# KiCad board MPU_MOD.kicad_pcb (continued)
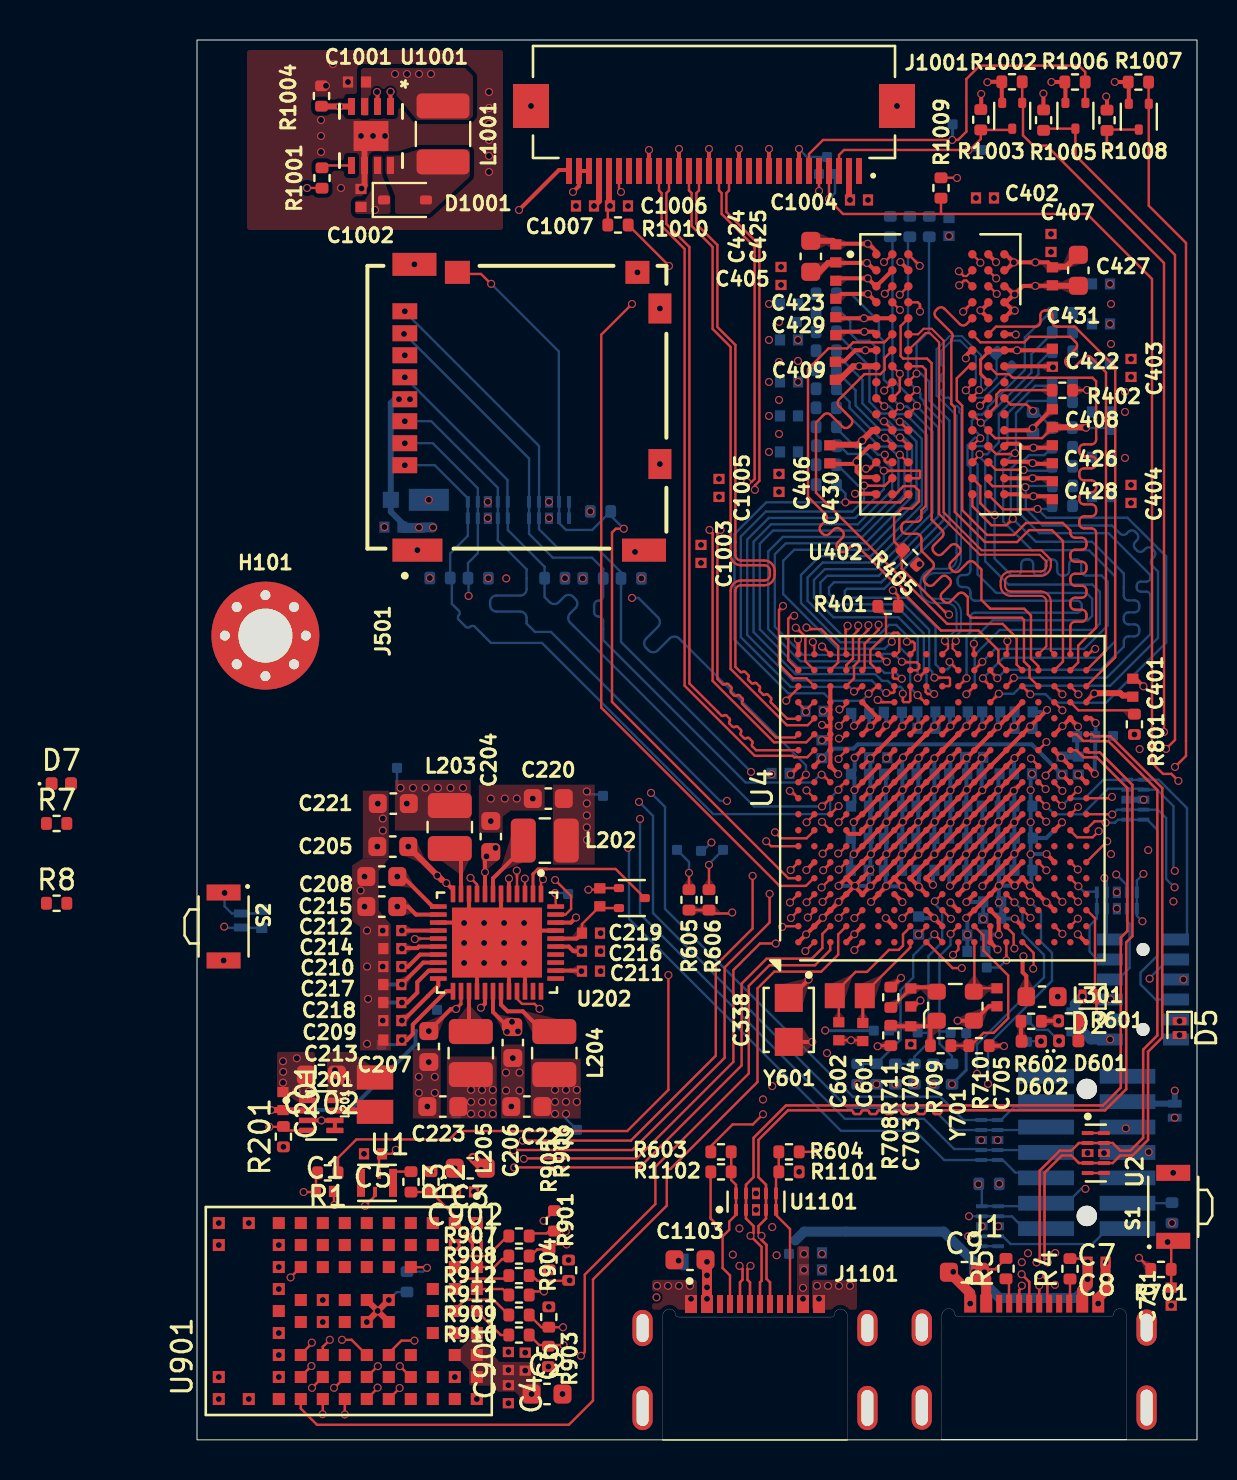
[diagram p0: board, top side]
## Library data of the parts (continued)
J501 = -: MP: MEM2090-00-145-00-A; P/N: MEM2090-00-145-00-A; Mouser P/N: 640-MEM20900014500A; REC P/N: MEM2090-00-145-00-A
J701 = -: MF: Samtec Inc.; MAXIMUM_PACKAGE_HEIGHT: 6.23mm; Package: None; Price: None; Check_prices: https://www.snapeda.com/parts/FTSH-107-01-L-DV-K-A/Samtec+Inc./view-part/?ref=eda; STANDARD: Manufacturer Recommendation; PARTREV: H; SnapEDA_Link: https://www.snapeda.com/parts/FTSH-107-01-L-DV-K-A/Samtec+Inc./view-part/?ref=snap; Description_1: Connector Header Surface Mount 14 position 0.050 (1.27mm); Availability: In Stock; MANUFACTURER: Samtec
J1001 = -: STANDARD: Manufacturer Recommendation; MANUFACTURER: Hirose; LCSC#: C506793; LCSC Part #: C506793
L202-L205 = -: Description: Inductor; P/N: DFE252012P-1R0M=P2; Mouser P/N: 81-DFE252012P-1R0MP2; LCSC Part #: C882955; REC P/N: DFE252012P-1R0M=P2; ki_fp_filters: Choke_* *Coil* Inductor_* L_*
L301 = -: Description: Inductor; P/N: MLZ1608M4R7WT000; Mouser P/N: 810-MLZ1608M4R7WT000; LCSC Part #: C76799; REC P/N: MLZ1608M4R7WT000; ki_fp_filters: Choke_* *Coil* Inductor_* L_*
L1001 = -: Description: DFE322512F-4R7M=P2; LCSC#: C703083; LCSC Part #: C703083; REC P/N: DFE322512F-4R7M=P2; ki_fp_filters: Choke_* *Coil* Inductor_* L_*
NT501 = -: Description: Net tie, 2 pins; ki_fp_filters: Net*Tie*
Q1-Q3 = -: Datasheet: https://www.diodes.com/assets/Datasheets/ds31783.pdf; Description: 20V Vds, 0.63 Id, N-Channel MOSFET with ESD protection, SOT-523; ki_fp_filters: SOT?523*
Q201 = -: Description: P-MOSFET transistor, gate/source/drain
R1 R403 R712 = -: Description: Resistor; LCSC Part #: C25076; ki_fp_filters: R_*
R2 R8 R501-R503 R506 R507 R603 R604 R903-R906 = -: Description: Resistor; LCSC Part #: C25792; ki_fp_filters: R_*
R3-R7 R601 R602 R907-R912 = -: Description: Resistor; ki_fp_filters: R_*
R201 R404 R405 R505 R701-R708 R901 R1002 R1003 R1005-R1008 = -: Description: Resistor; LCSC Part #: C25744; ki_fp_filters: R_*
R202 = -: Description: Resistor; LCSC Part #: C26083; ki_fp_filters: R_*
R203 R709 R1001 = -: Description: Resistor; LCSC Part #: C17168; ki_fp_filters: R_*
R401 = -: Description: Resistor; Field6: 1%; LCSC Part #: C25094; ki_fp_filters: R_*
R402 = -: Description: Resistor; TOL: 1%; LCSC Part #: C25094; ki_fp_filters: R_*
R406-R429 = -: Description: Resistor; LCSC Part #: C25127; ki_fp_filters: R_*
R605 R606 R801 R1009 R1010 = -: Description: Resistor; LCSC Part #: C25784; ki_fp_filters: R_*
R710 = -: Description: Resistor; LCSC Part #: C11702; ki_fp_filters: R_*
R711 = -: Description: Resistor; LCSC Part #: C25077; ki_fp_filters: R_*
R1004 = -: Description: Resistor; LCSC#: C23164; LCSC Part #: C38373; ki_fp_filters: R_*
R1101 R1102 = -: Description: Resistor; LCSC Part #: C25905; ki_fp_filters: R_*
S1 S2 = -: MANUFACTURER: Omron
TP201-TP211 TP601-TP605 TP701-TP707 TP1001-TP1006 TP1101 = -: Description: test point; ki_fp_filters: Pin* Test*
U1 = -: MF: SiTIME; Description_1: 32.768 kHz XO (Standard) LVCMOS Oscillator 1.5V ~ 3.63V - 4-SMD, No Lead; Package: SMD-4 SiTIME; Price: None; SnapEDA_Link: https://www.snapeda.com/parts/SIT1533AI-H4-DCC-32.768E/SiTime/view-part/?ref=snap; Availability: In Stock; Check_prices: https://www.snapeda.com/parts/SIT1533AI-H4-DCC-32.768E/SiTime/view-part/?ref=eda
U2 U3 U5 U501 U502 U702 U703 U1101 = -: MF: STMicroelectronics; MAXIMUM_PACKAGE_HEIGHT: 0.5mm; Package: UQFN-10 STMicroelectronics; Description_1: 10V Clamp 1A (8/20µs) Ipp Tvs Diode Surface Mount 10-UQFN (2.5x1); MANUFACTURER: STMicroelectronics; Mouser P/N: 511-HSP051-4M10; LCSC Part #: C1973641
U4 = -: Datasheet: https://www.st.com/resource/en/datasheet/stm32mp157f.pdf; Description: STMicroelectronics Arm Cortex-A7 MCU, 0KB flash, 708KB RAM, 98 GPIO, LFBGA354; LCSC Part #: C1236734; ki_fp_filters: ST*LFBGA*16x16mm*Layout19x19*P0.8mm*
U201 = -: MF: Texas Instruments; MOUSER-PURCHASE-URL: https://snapeda.com/shop?store=Mouser&id=4216699; DESCRIPTION: 60-nA IQ, 1.8-V to 6.5-VIN, high-efficiency 750-mA step-down converter 8-VSON-HR -40 to 125; PACKAGE: VSON-HR-8 Texas Instruments; PRICE: None; Package: VSON-HR-8 Texas Instruments; Check_prices: https://www.snapeda.com/parts/TPS62840DLCR/Texas+Instruments/view-part/?ref=eda; Price: None; SnapEDA_Link: https://www.snapeda.com/parts/TPS62840DLCR/Texas+Instruments/view-part/?ref=snap; TEXAS_INSTRUMENTS-PURCHASE-URL: https://snapeda.com/shop?store=Texas+Instruments&id=4216699; Availability: In Stock; AVAILABILITY: Warning; Description_1: 60-nA quiescent current (IQ), 1.8-V to 6.5-VIN, high-efficiency 750-mA step-down converter
U202 = -: Mouser P/N: 511-STPMIC1APQR; LCSC Part #: C2156052
U402 = -: MANUFACTURER: Micron; P/N: MT41K256M16TW-107:P; Mouser P/N: 340-265846-TRAY; PARTREV: P; STANDARD: IPC-7351B; MAXIMUM_PACKAGE_HEIGHT: 1.20mm; LCSC Part #: C253882; REC P/N: MT41K256M16TW-107:P
U901 = -: MF: U-Blox; MAXIMUM_PACKAGE_HEIGHT: 1.9mm; Package: None; Price: None; Check_prices: https://www.snapeda.com/parts/MAYA-W166-00B/u-blox/view-part/?ref=eda; STANDARD: Manufacturer Recommendations; PARTREV: R06; SnapEDA_Link: https://www.snapeda.com/parts/MAYA-W166-00B/u-blox/view-part/?ref=snap; Description_1: Bluetooth, WiFi 802.11a/b/g/n, Bluetooth v5.2 +EDR, Class 1 and 2 Transceiver Module 2.4GHz, 5GHz PCB Trace Surface Mount; Availability: In Stock; MANUFACTURER: u-blox
U1001 = -: LCSC#: C91304; LCSC Part #: C91304; ki_fp_filters: DRB8_1P75X1P5
Y601 = -: MF: NDK America,; DESCRIPTION: Crystal 32.7680khz 12.5pf Smd; PACKAGE: SMD-2; PRICE: None; Package: SMD-2 NDK; Check_prices: https://www.snapeda.com/parts/NX2012SA-32.768K-STD-MUB-1/NDK/view-part/?ref=eda; STANDARD: Manufacturer Recommendation; SnapEDA_Link: https://www.snapeda.com/parts/NX2012SA-32.768K-STD-MUB-1/NDK/view-part/?ref=snap; MP: NX2012SA-32.768K-STD-MUB-1; Price: None; Availability: In Stock; AVAILABILITY: Unavailable; Description_1: 32.768 kHz ±20ppm Crystal 12.5pF 80 kOhms 2-SMD, No Lead; LCSC Part #: C891748
Y701 = -: Datasheet: https://www.ecsxtal.com/store/pdf/ECS-2520MV.pdf; Description: HCMOS Crystal Clock Oscillator, 2.5x2.0 mm SMD; Mouser P/N: 520-E2520MVQ240BSTR; P/N: ECS-2520MVQ-240-BS-TR; REC P/N: ECS-2520MVQ-240-BS-TR; ki_fp_filters: Oscillator*SMD*ECS*2520MV*2.5x2.0mm*

## Footprints (pads in the part's own frame, mm; a bottom-side part is the same pattern mirrored in y, then rotated)
BGA96C80P9X16_1400X800X120
  round 0.42 smd: A1(-3.2,6) A2(-2.4,6) A3(-1.6,6) A7(1.6,6) A8(2.4,6) A9(3.2,6) B1(-3.2,5.2) B2(-2.4,5.2) B3(-1.6,5.2) B7(1.6,5.2) B8(2.4,5.2) B9(3.2,5.2) C1(-3.2,4.4) C2(-2.4,4.4) C3(-1.6,4.4) C7(1.6,4.4) C8(2.4,4.4) C9(3.2,4.4) D1(-3.2,3.6) D2(-2.4,3.6) D3(-1.6,3.6) D7(1.6,3.6) D8(2.4,3.6) D9(3.2,3.6) E1(-3.2,2.8) E2(-2.4,2.8) E3(-1.6,2.8) E7(1.6,2.8) E8(2.4,2.8) E9(3.2,2.8) F1(-3.2,2) F2(-2.4,2) F3(-1.6,2) F7(1.6,2) F8(2.4,2) F9(3.2,2) G1(-3.2,1.2) G2(-2.4,1.2) G3(-1.6,1.2) G7(1.6,1.2) G8(2.4,1.2) G9(3.2,1.2) H1(-3.2,0.4) H2(-2.4,0.4) H3(-1.6,0.4) H7(1.6,0.4) H8(2.4,0.4) H9(3.2,0.4) J1(-3.2,-0.4) J2(-2.4,-0.4) J3(-1.6,-0.4) J7(1.6,-0.4) J8(2.4,-0.4) J9(3.2,-0.4) K1(-3.2,-1.2) K2(-2.4,-1.2) K3(-1.6,-1.2) K7(1.6,-1.2) K8(2.4,-1.2) K9(3.2,-1.2) L1(-3.2,-2) L2(-2.4,-2) L3(-1.6,-2) L7(1.6,-2) L8(2.4,-2) L9(3.2,-2) M1(-3.2,-2.8) M2(-2.4,-2.8) M3(-1.6,-2.8) M7(1.6,-2.8) M8(2.4,-2.8) M9(3.2,-2.8) N1(-3.2,-3.6) N2(-2.4,-3.6) N3(-1.6,-3.6) N7(1.6,-3.6) N8(2.4,-3.6) N9(3.2,-3.6) P1(-3.2,-4.4) P2(-2.4,-4.4) P3(-1.6,-4.4) P7(1.6,-4.4) P8(2.4,-4.4) P9(3.2,-4.4) R1(-3.2,-5.2) R2(-2.4,-5.2) R3(-1.6,-5.2) R7(1.6,-5.2) R8(2.4,-5.2) R9(3.2,-5.2) T1(-3.2,-6) T2(-2.4,-6) T3(-1.6,-6) T7(1.6,-6) T8(2.4,-6) T9(3.2,-6)
C_0402_small
  rect 0.51x0.56 smd: 1(-0.45,0) 2(0.45,0)
C_0603_1608Metric
  rrect 0.9x0.95 smd: 1(-0.775,0) 2(0.775,0)
CAPCP3225X100N
  rect 1.4x1.4 smd: 1(-1.1,0) 2(1.1,0)
D_MicroSMP_KA
  rect 0.8x0.8 smd: 1(-1.02,0)
  rect 2x1.1 smd: 2(0.88,0)
D_SOD-323
  rrect 0.6x0.45 smd: 1(-1.05,0) 2(1.05,0)
D_SOD-882
  rrect 0.3x0.6 smd: (-0.35,0) (0.35,0)
  rrect 0.4x0.7 smd: 1(-0.35,0) 2(0.35,0)
DIODE_ESDA7P120-1U1M_STM
  rect 0.406x0.838 smd: 1(-0.522,0) 2(0.522,0)
DRB8_1P75X1P5
  rect 0.85x0.35 smd: 1(-1.475,0.975) 2(-1.475,0.325) 3(-1.475,-0.325) 4(-1.475,-0.975) 5(1.475,-0.975) 6(1.475,-0.325) 7(1.475,0.325) 8(1.475,0.975)
  rect 1.5x1.75 smd: 9(0,0)
GCT_MEM2090-00-145-00-A_REVA
  rect 1.15x2.2 smd: G1(-7.145,2.35) G5(7.145,13.83)
  rect 1.15x1.2 smd: G2(-6.745,13.5)
  rect 1.5x1.15 smd: G3(-4.94,14.625) G4(2.84,14.625)
  rect 1.15x2.5 smd: G6(7.145,2.5)
  rect 0.8x1.24 smd: P1(2.9,1.87) P2(1.8,1.87) P3(0.7,1.87) P4(-0.4,1.87) P5(-1.5,1.87) P6(-2.6,1.87) P7(-3.7,1.87) P8(-4.8,1.87)
  rect 1.15x1.25 smd: SW(-6.745,4.5)
GCT_USB4510-03-1-A_REVA
  rect 0.6x0.9 smd: A1_B12(-3.2,5.2) A4_B9(-2.4,5.2) B1_A12(3.2,5.2) B4_A9(2.4,5.2)
  rect 0.3x0.9 smd: A5(-1.25,5.2) A6(-0.25,5.2) A7(0.25,5.2) A8(1.25,5.2) B5(1.75,5.2) B6(0.75,5.2) B7(-0.75,5.2) B8(-1.75,5.2)
  custom 1.01x2.21 hole 0.6x1.8: S1(-5.62,0) S4(5.62,0)
  custom 1.01x1.81 hole 0.6x1.4: S2(5.62,4) S3(-5.62,4)
HARWIN_M40-3100645R
  round 0.65 hole 0.65 unplated: (-2,0) (2,0)
  rect 0.6x1.3 smd: 1(2.5,-1.65) 2(2.5,1.65) 3(1.5,-1.65) 4(1.5,1.65) 5(0.5,-1.65) 6(0.5,1.65) 7(-0.5,-1.65) 8(-0.5,1.65) 9(-1.5,-1.65) 10(-1.5,1.65) 11(-2.5,-1.65) 12(-2.5,1.65)
HIROSE_FH12-30S-0.5SH_55_
  rect 0.3x1.3 smd: 1(-7.25,0) 2(-6.75,0) 3(-6.25,0) 4(-5.75,0) 5(-5.25,0) 6(-4.75,0) 7(-4.25,0) 8(-3.75,0) 9(-3.25,0) 10(-2.75,0) 11(-2.25,0) 12(-1.75,0) 13(-1.25,0) 14(-0.75,0) 15(-0.25,0) 16(0.25,0) 17(0.75,0) 18(1.25,0) 19(1.75,0) 20(2.25,0) 21(2.75,0) 22(3.25,0) 23(3.75,0) 24(4.25,0) 25(4.75,0) 26(5.25,0) 27(5.75,0) 28(6.25,0) 29(6.75,0) 30(7.25,0)
  rect 1.8x2.2 smd: S1(-9.15,-3.25) S2(9.15,-3.25)
IC_HSP051-4M10
  rect 0.2x0.58 smd: 1(-1,-0.41) 2(-0.5,-0.41) 4(0.5,-0.41) 5(1,-0.41) 6(1,0.41) 7(0.5,0.41) 9(-0.5,0.41) 10(-1,0.41)
  rect 0.4x0.58 smd: 3(0,-0.41) 8(0,0.41)
INDC2016X120N
  rect 1.2x1.82 smd: 1(-0.86,0) 2(0.86,0)
L_0603_1608Metric
  rrect 0.875x0.95 smd: 1(-0.787,0) 2(0.787,0)
L_1008_2520Metric
  rrect 1.25x2.2 smd: 1(-1.075,0) 2(1.075,0)
L_1210_3225Metric
  rrect 1.25x2.65 smd: 1(-1.4,0) 2(1.4,0)
LED_0402_1005Metric
  rrect 0.59x0.64 smd: 1(-0.485,0) 2(0.485,0)
MountingHole_2.7mm_M2.5_Pad_Via
  round 0.8 hole 0.5: 1(-2.025,0) 1(-1.432,1.432) 1(-1.432,-1.432) 1(0,2.025) 1(0,-2.025) 1(1.432,1.432) 1(1.432,-1.432) 1(2.025,0)
  round 5.4 hole 2.7: 1(0,0)
NetTie-2_SMD_Pad0.5mm
  round 0.5 smd: 1(-0.5,0) 2(0.5,0)
Oscillator_SMD_ECS_2520MV-xxx-xx-4Pin_2.5x2.0mm
  rrect 0.8x0.9 smd: 1(-0.725,0.925) 2(-0.725,-0.925) 3(0.725,-0.925) 4(0.725,0.925)
QFN40P600X500X80-45N
  rrect 0.84x0.23 smd: 1(-2.435,2.2) 2(-2.435,1.8) 3(-2.435,1.4) 4(-2.435,1) 5(-2.435,0.6) 6(-2.435,0.2) 7(-2.435,-0.2) 8(-2.435,-0.6) 9(-2.435,-1) 10(-2.435,-1.4) 11(-2.435,-1.8) 12(-2.435,-2.2) 23(2.435,-2.2) 24(2.435,-1.8) 25(2.435,-1.4) 26(2.435,-1) 27(2.435,-0.6) 28(2.435,-0.2) 29(2.435,0.2) 30(2.435,0.6) 31(2.435,1) 32(2.435,1.4) 33(2.435,1.8) 34(2.435,2.2)
  rrect 0.23x0.84 smd: 13(-1.8,-2.935) 14(-1.4,-2.935) 15(-1,-2.935) 16(-0.6,-2.935) 17(-0.2,-2.935) 18(0.2,-2.935) 19(0.6,-2.935) 20(1,-2.935) 21(1.4,-2.935) 22(1.8,-2.935) 35(1.8,2.935) 36(1.4,2.935) 37(1,2.935) 38(0.6,2.935) 39(0.2,2.935) 40(-0.2,2.935) 41(-0.6,2.935) 42(-1,2.935) 43(-1.4,2.935) 44(-1.8,2.935)
  rect 3.5x4.5 smd: 45(0,0)
R_0402_1005Metric
  rrect 0.54x0.64 smd: 1(-0.51,0) 2(0.51,0)
SAMTEC_FTSH-107-01-L-DV-K-A
  round 1.02 hole 1.02 unplated: (-3.175,0) (3.175,0)
  rect 0.74x2.79 smd: 01(-3.81,-2.035) 02(-3.81,2.035) 03(-2.54,-2.035) 04(-2.54,2.035) 05(-1.27,-2.035) 06(-1.27,2.035) 07(0,-2.035) 08(0,2.035) 09(1.27,-2.035) 10(1.27,2.035) 11(2.54,-2.035) 12(2.54,2.035) 13(3.81,-2.035) 14(3.81,2.035)
SIT1533AI_2X1.2MM
  rect 0.4x1.4 smd: 1(-0.8,0) 3(0.8,0)
  rect 0.2x0.5 smd: 2(-0.1,-0.45) 4(0.1,0.45)
SOT-523
  rrect 0.51x0.4 smd: 1(-0.645,0.5) 2(-0.645,-0.5) 3(0.645,0)
ST_LFBGA-354_16x16mm_Layout19x19_P0.8mm
  round 0.32 smd: A1(-7.2,7.2) A2(-6.4,7.2) A3(-5.6,7.2) A4(-4.8,7.2) A5(-4,7.2) A6(-3.2,7.2) A7(-2.4,7.2) A8(-1.6,7.2) A9(-0.8,7.2) A10(0,7.2) A11(0.8,7.2) A12(1.6,7.2) A13(2.4,7.2) A14(3.2,7.2) A15(4,7.2) A16(4.8,7.2) A17(5.6,7.2) A18(6.4,7.2) A19(7.2,7.2) B1(-7.2,6.4) B2(-6.4,6.4) B3(-5.6,6.4) B4(-4.8,6.4) B5(-4,6.4) B6(-3.2,6.4) B7(-2.4,6.4) B8(-1.6,6.4) B9(-0.8,6.4) B10(0,6.4) B11(0.8,6.4) B12(1.6,6.4) B13(2.4,6.4) B14(3.2,6.4) B15(4,6.4) B16(4.8,6.4) B17(5.6,6.4) B18(6.4,6.4) B19(7.2,6.4) C1(-7.2,5.6) C2(-6.4,5.6) C3(-5.6,5.6) C4(-4.8,5.6) C5(-4,5.6) C6(-3.2,5.6) C7(-2.4,5.6) C8(-1.6,5.6) C9(-0.8,5.6) C10(0,5.6) C11(0.8,5.6) C12(1.6,5.6) C13(2.4,5.6) C14(3.2,5.6) C15(4,5.6) C16(4.8,5.6) C17(5.6,5.6) C18(6.4,5.6) C19(7.2,5.6) D1(-7.2,4.8) D2(-6.4,4.8) D3(-5.6,4.8) D4(-4.8,4.8) D5(-4,4.8) D6(-3.2,4.8) D7(-2.4,4.8) D8(-1.6,4.8) D9(-0.8,4.8) D10(0,4.8) D11(0.8,4.8) D12(1.6,4.8) D13(2.4,4.8) D14(3.2,4.8) D15(4,4.8) D16(4.8,4.8) D17(5.6,4.8) D18(6.4,4.8) D19(7.2,4.8) E1(-7.2,4) E2(-6.4,4) E3(-5.6,4) E4(-4.8,4) E5(-4,4) E6(-3.2,4) E7(-2.4,4) E8(-1.6,4) E9(-0.8,4) E10(0,4) E11(0.8,4) E12(1.6,4) E13(2.4,4) E14(3.2,4) E15(4,4) E16(4.8,4) E17(5.6,4) E18(6.4,4) F1(-7.2,3.2) F2(-6.4,3.2) F3(-5.6,3.2) F4(-4.8,3.2) F5(-4,3.2) F6(-3.2,3.2) F7(-2.4,3.2) F8(-1.6,3.2) F9(-0.8,3.2) F10(0,3.2) F11(0.8,3.2) F12(1.6,3.2) F13(2.4,3.2) F14(3.2,3.2) F15(4,3.2) F17(5.6,3.2) F18(6.4,3.2) F19(7.2,3.2) G1(-7.2,2.4) G2(-6.4,2.4) G3(-5.6,2.4) G4(-4.8,2.4) G5(-4,2.4) G6(-3.2,2.4) G7(-2.4,2.4) G8(-1.6,2.4) G9(-0.8,2.4) G10(0,2.4) G11(0.8,2.4) G12(1.6,2.4) G13(2.4,2.4) G14(3.2,2.4) G15(4,2.4) G16(4.8,2.4) G17(5.6,2.4) G18(6.4,2.4) G19(7.2,2.4) H1(-7.2,1.6) H2(-6.4,1.6) H3(-5.6,1.6) H4(-4.8,1.6) H5(-4,1.6) H6(-3.2,1.6) H7(-2.4,1.6) H8(-1.6,1.6) H9(-0.8,1.6) H10(0,1.6) H11(0.8,1.6) H12(1.6,1.6) H13(2.4,1.6) H14(3.2,1.6) H15(4,1.6) H17(5.6,1.6) H18(6.4,1.6) H19(7.2,1.6) J1(-7.2,0.8) J2(-6.4,0.8) J3(-5.6,0.8) J4(-4.8,0.8) J5(-4,0.8) J6(-3.2,0.8) J7(-2.4,0.8) J8(-1.6,0.8) J9(-0.8,0.8) J10(0,0.8) J11(0.8,0.8) J12(1.6,0.8) J13(2.4,0.8) J14(3.2,0.8) J15(4,0.8) J16(4.8,0.8) J17(5.6,0.8) J18(6.4,0.8) J19(7.2,0.8) K1(-7.2,0) K2(-6.4,0) K3(-5.6,0) K4(-4.8,0) K5(-4,0) K6(-3.2,0) K7(-2.4,0) K8(-1.6,0) K9(-0.8,0) K10(0,0) K11(0.8,0) K12(1.6,0) K13(2.4,0) K14(3.2,0) K15(4,0) K17(5.6,0) K18(6.4,0) K19(7.2,0) L1(-7.2,-0.8) L2(-6.4,-0.8) L3(-5.6,-0.8) L4(-4.8,-0.8) L5(-4,-0.8) L6(-3.2,-0.8) L7(-2.4,-0.8) L8(-1.6,-0.8) L9(-0.8,-0.8) L10(0,-0.8) L11(0.8,-0.8) L12(1.6,-0.8) L13(2.4,-0.8) L14(3.2,-0.8) L15(4,-0.8) L16(4.8,-0.8) L17(5.6,-0.8) L18(6.4,-0.8) L19(7.2,-0.8) M1(-7.2,-1.6) M2(-6.4,-1.6) M3(-5.6,-1.6) M4(-4.8,-1.6) M5(-4,-1.6) M6(-3.2,-1.6) M7(-2.4,-1.6) M8(-1.6,-1.6) M9(-0.8,-1.6) M10(0,-1.6) M11(0.8,-1.6) M12(1.6,-1.6) M13(2.4,-1.6) M14(3.2,-1.6) M15(4,-1.6) M17(5.6,-1.6) M18(6.4,-1.6) M19(7.2,-1.6) N1(-7.2,-2.4) N2(-6.4,-2.4) N3(-5.6,-2.4) N4(-4.8,-2.4) N5(-4,-2.4) N6(-3.2,-2.4) N7(-2.4,-2.4) N8(-1.6,-2.4) N9(-0.8,-2.4) N10(0,-2.4) N11(0.8,-2.4) N12(1.6,-2.4) N13(2.4,-2.4) N14(3.2,-2.4) N15(4,-2.4) N16(4.8,-2.4) N17(5.6,-2.4) N18(6.4,-2.4) N19(7.2,-2.4) P1(-7.2,-3.2) P2(-6.4,-3.2) P3(-5.6,-3.2) P4(-4.8,-3.2) P5(-4,-3.2) P6(-3.2,-3.2) P7(-2.4,-3.2) P8(-1.6,-3.2) P9(-0.8,-3.2) P10(0,-3.2) P11(0.8,-3.2) P12(1.6,-3.2) P13(2.4,-3.2) P14(3.2,-3.2) P15(4,-3.2) P17(5.6,-3.2) P18(6.4,-3.2) P19(7.2,-3.2) R1(-7.2,-4) R2(-6.4,-4) R3(-5.6,-4) R4(-4.8,-4) R5(-4,-4) R6(-3.2,-4) R7(-2.4,-4) R8(-1.6,-4) R9(-0.8,-4) R10(0,-4) R11(0.8,-4) R12(1.6,-4) R13(2.4,-4) R14(3.2,-4) R15(4,-4) R16(4.8,-4) R17(5.6,-4) R18(6.4,-4) T1(-7.2,-4.8) T2(-6.4,-4.8) T3(-5.6,-4.8) T4(-4.8,-4.8) T5(-4,-4.8) T6(-3.2,-4.8) T7(-2.4,-4.8) T8(-1.6,-4.8) T9(-0.8,-4.8) T10(0,-4.8) T11(0.8,-4.8) T12(1.6,-4.8) T13(2.4,-4.8) T14(3.2,-4.8) T15(4,-4.8) T16(4.8,-4.8) T17(5.6,-4.8) T18(6.4,-4.8) T19(7.2,-4.8) U1(-7.2,-5.6) U2(-6.4,-5.6) U3(-5.6,-5.6) U4(-4.8,-5.6) U5(-4,-5.6) U6(-3.2,-5.6) U7(-2.4,-5.6) U8(-1.6,-5.6) U9(-0.8,-5.6) U10(0,-5.6) U11(0.8,-5.6) U12(1.6,-5.6) U13(2.4,-5.6) U14(3.2,-5.6) U15(4,-5.6) U16(4.8,-5.6) U17(5.6,-5.6) U18(6.4,-5.6) U19(7.2,-5.6) V1(-7.2,-6.4) V2(-6.4,-6.4) V3(-5.6,-6.4) V4(-4.8,-6.4) V5(-4,-6.4) V6(-3.2,-6.4) V7(-2.4,-6.4) V8(-1.6,-6.4) V9(-0.8,-6.4) V10(0,-6.4) V11(0.8,-6.4) V12(1.6,-6.4) V13(2.4,-6.4) V14(3.2,-6.4) V15(4,-6.4) V16(4.8,-6.4) V17(5.6,-6.4) V18(6.4,-6.4) V19(7.2,-6.4) W1(-7.2,-7.2) W2(-6.4,-7.2) W3(-5.6,-7.2) W4(-4.8,-7.2) W5(-4,-7.2) W6(-3.2,-7.2) W7(-2.4,-7.2) W8(-1.6,-7.2) W9(-0.8,-7.2) W10(0,-7.2) W11(0.8,-7.2) W12(1.6,-7.2) W13(2.4,-7.2) W14(3.2,-7.2) W15(4,-7.2) W16(4.8,-7.2) W17(5.6,-7.2) W18(6.4,-7.2) W19(7.2,-7.2)
SW_B3U-3000P
  rect 0.8x1.7 smd: 1(-1.7,0) 2(1.7,0)
TP_0.5
  rrect 0.5x0.5 smd: 1(0,0)
TPS62840DLCR
  rrect 0.86x0.27 smd: 1(-0.685,0.75) 2(-0.685,0.25) 3(-0.685,-0.25) 4(-0.685,-0.75) 5(0.685,-0.75) 6(0.685,-0.25) 7(0.685,0.25) 8(0.685,0.75)
XCVR_MAYA-W166-00B
  rect 0.6x0.6 smd: A1(4.4,-6.6) A2(3.3,-6.6) A3(2.2,-6.6) A4(1.1,-6.6) A5(0,-6.6) A6(-1.1,-6.6) A7(-2.2,-6.6) A8(-3.3,-6.6) A9(-4.4,-6.6) B1(4.4,-5.5) B2(3.3,-5.5) B3(2.2,-5.5) B4(1.1,-5.5) B5(0,-5.5) B6(-1.1,-5.5) B7(-2.2,-5.5) B8(-3.3,-5.5) B9(-4.4,-5.5) C1(4.4,-4.4) C2(3.3,-4.4) C4(1.1,-4.4) C5(0,-4.4) C6(-1.1,-4.4) C8(-3.3,-4.4) C9(-4.4,-4.4) D1(4.4,-3.3) D2(3.3,-3.3) D3(2.2,-3.3) D7(-2.2,-3.3) D8(-3.3,-3.3) D9(-4.4,-3.3) E1(4.4,-2.2) E2(3.3,-2.2) E3(2.2,-2.2) E4(0.55,-2.2) E5(-0.55,-2.2) E7(-2.2,-2.2) E8(-3.3,-2.2) E9(-4.4,-2.2) F1(4.4,-1.1) F2(3.3,-1.1) F3(2.2,-1.1) F4(0.55,-1.1) F5(-0.55,-1.1) F7(-2.2,-1.1) F8(-3.3,-1.1) F9(-4.4,-1.1) G1(4.4,0) G2(3.3,0) G3(2.2,0) G4(0.55,0) G5(-0.55,0) G7(-2.2,0) G8(-3.3,0) G9(-4.4,0) H1(4.4,1.1) H2(3.3,1.1) H3(2.2,1.1) H4(0.55,1.1) H5(-0.55,1.1) H7(-2.2,1.1) H8(-3.3,1.1) H9(-4.4,1.1) J1(4.4,2.2) J2(3.3,2.2) J3(2.2,2.2) J4(0.55,2.2) J5(-0.55,2.2) J7(-2.2,2.2) J8(-3.3,2.2) J9(-4.4,2.2) K1(4.4,3.3) K2(3.3,3.3) K3(2.2,3.3) K4(1.1,3.3) K5(0,3.3) K6(-1.1,3.3) K7(-2.2,3.3) K8(-3.3,3.3) K9(-4.4,3.3) L1(4.4,4.8) L9(-4.4,4.8) M1(4.4,6.3) M2(3.3,6.3) M8(-3.3,6.3) M9(-4.4,6.3)
XTAL_NX2012SA-32.768K-STD-MUB-1
  rect 1x1.25 smd: 1(-0.75,0) 2(0.75,0)

## Nets
1V8: C218.2 C1006.1 J1001.26 R1003.2 R1008.2 R1009.2 R1010.2 TP207.1 U202.21
1V8_WIFI: C3.1 C5.1 C202.1 C902.1 L201.2 U1.4 U201.8 U901.A2
1V8_WIFI_EN: R201.2 U4.E3 U201.4
2V8: C213.2 C1004.2 C1007.1 J1001.2 J1001.27 TP203.1 U202.23
3V3: C2.1 C4.1 C6.2 C209.2 C223.2 C901.1 C1001.2 L205.2 L1001.1 NT501.2 R8.2 R501.2 R502.2 R503.2 R505.2 R506.2 R507.2 R601.2 R602.2 R901.2 R903.2 R904.2 R905.2 R906.2 R1005.2 TP211.1 U202.22 U202.27 U901.A6 U901.A7 U901.A8 U901.B7 U1001.3
/MPU_PWR/VDDA: C332.1 C333.1 L301.2 U4.M4
GND: C1.2 C2.2 C3.2 C4.2 C5.2 C6.1 C7.2 C8.1 C9.1 C201.1 C202.2 C203.1 C204.1 C205.1 C206.1 C207.1 C208.1 C209.1 C210.1 C211.1 C212.1 C213.1 C214.1 C215.2 C216.1 C217.1 C218.1 C219.1 C220.1 C221.1 C222.1 C223.1 C301.1 C302.1 C303.1 C304.1 C305.1 C306.1 C307.1 C308.1 C309.1 C310.1 C311.1 C312.1 C313.1 C314.1 C315.1 C316.1 C317.1 C318.1 C319.1 C320.1 C321.1 C322.1 C323.1 C324.1 C325.1 C326.1 C327.1 C328.1 C329.1 C330.1 C331.1 C332.2 C333.2 C334.2 C335.1 C336.2 C337.2 C338.2 C339.2 C340.1 C341.2 C342.2 C343.2 C344.2 C345.2 C401.1 C402.1 C403.1 C404.1 C405.1 C406.1 C407.1 C408.2 C409.2 C410.2 C411.2 C412.2 C413.2 C414.2 C415.2 C416.2 C417.2 C418.2 C419.2 C420.2 C421.2 C422.1 C423.1 C424.1 C425.1 C426.1 C427.1 C428.1 C429.1 C430.1 C431.1 C501.1 C601.1 C602.2 C701.1 C702.1 C703.1 C704.2 C705.1 C901.2 C902.2 C1001.1 C1002.1 C1003.2 C1004.1 C1005.2 C1006.2 C1007.2 C1101.2 C1102.1 C1103.1 D1.2 D2.2 D3.2 D4.2 D5.2 D6.2 D7.1 D501.2 D1101.2 H101.1 J1.A1_B12 J1.B1_A12 J1.S1 J1.S2 J1.S3 J1.S4 J3.1 J501.G1 J501.G2 J501.G3 J501.G4 J501.G5 J501.G6 J501.P6 J701.05 J701.07 J1001.7 J1001.10 J1001.13 J1001.16 J1001.19 J1001.22 J1001.S1 J1001.S2 J1101.A1_B12 J1101.B1_A12 J1101.S1 J1101.S2 J1101.S3 J1101.S4 Q1.2 Q2.2 Q3.2 R2.1 R6.1 R201.1 R401.2 R402.2 R404.1 R405.1 R705.1 R706.2 R707.1 R710.2 R712.1 R801.1 R1002.1 R1004.1 R1006.1 R1007.1 R1101.1 R1102.1 S1.2 S2.2 TP605.1 TP707.1 TP1005.1 U1.2 U2.3 U2.8 U3.3 U3.8 U4.A1 U4.A19 U4.B2 U4.B6 U4.C3 U4.C12 U4.C13 U4.C14 U4.C15 U4.C16 U4.C17 U4.D1 U4.D4 U4.D5 U4.D8 U4.E2 U4.E4 U4.E5 U4.E6 U4.E8 U4.E10 U4.E12 U4.E14 U4.E16 U4.F5 U4.F7 U4.F9 U4.F11 U4.F13 U4.F15 U4.G2 U4.G4 U4.G6 U4.G8 U4.G10 U4.G12 U4.G14 U4.H5 U4.H7 U4.H9 U4.H11 U4.H13 U4.H15 U4.J3 U4.J4 U4.J6 U4.J8 U4.J10 U4.J12 U4.J14 U4.K2 U4.K5 U4.K7 U4.K9 U4.K11 U4.K13 U4.K15 U4.L4 U4.L6 U4.L8 U4.L10 U4.L12 U4.L14 U4.M3 U4.M5 U4.M7 U4.M9 U4.M11 U4.M13 U4.M15 U4.N4 U4.N6 U4.N8 U4.N10 U4.N12 U4.N14 U4.P5 U4.P7 U4.P9 U4.P11 U4.P13 U4.P15 U4.R2 U4.R5 U4.R6 U4.R8 U4.R10 U4.R12 U4.R14 U4.R16 U4.T4 U4.T15 U4.U3 U4.U6 U4.U8 U4.U13 U4.U14 U4.U17 U4.V12 U4.V15 U4.W1 U4.W19 U5.3 U5.8 U201.1 U201.3 U201.5 U201.6 U202.6 U202.10 U202.15 U202.26 U202.30 U202.32 U202.41 U202.45 U402.A9 U402.B1 U402.B3 U402.B9 U402.D1 U402.D8 U402.E1 U402.E2 U402.E8 U402.F9 U402.G1 U402.G8 U402.G9 U402.J2 U402.J8 U402.M1 U402.M9 U402.P1 U402.P9 U402.T1 U402.T9 U501.3 U501.8 U502.3 U502.8 U702.3 U702.8 U703.3 U703.8 U901.A1 U901.A9 U901.B2 U901.B8 U901.E4 U901.E5 U901.F4 U901.F5 U901.H4 U901.H5 U901.K2 U901.K3 U901.K4 U901.K6 U901.K7 U901.K8 U901.L1 U901.L9 U901.M1 U901.M2 U901.M8 U901.M9 U1001.6 U1001.9 U1101.3 U1101.8 Y701.2
VDD: C222.2 C301.2 C302.2 C303.2 C304.2 C305.2 C306.2 C334.1 C335.2 C336.1 C337.1 D6.1 J701.03 L204.2 L301.1 R605.2 R606.2 R701.2 R702.2 R703.2 R704.2 R711.2 TP210.1 TP701.1 U4.A12 U4.G13 U4.J5 U4.K6 U4.L3 U4.L5 U4.L7 U4.M6 U4.M8 U4.N1 U4.N2 U4.N5 U4.N7 U4.N9 U4.P6 U4.P8 U4.P10 U4.R7 U4.R9 U4.R11 U202.31 U202.42
VDD_CORE: C220.2 C307.2 C308.2 C309.2 C310.2 C311.2 C312.2 C313.2 C314.2 C315.2 C316.2 C317.2 C318.2 C319.2 C320.2 C321.2 C322.2 C323.2 L202.2 TP208.1 U4.E7 U4.E9 U4.E11 U4.E13 U4.F4 U4.F6 U4.F8 U4.F10 U4.F12 U4.G5 U4.G7 U4.G9 U4.G11 U4.H4 U4.H6 U4.H8 U4.H10 U4.H12 U4.J7 U4.J9 U4.J11 U4.J13 U4.K8 U4.K10 U4.K12 U4.L9 U4.L11 U4.L13 U4.M10 U4.M12 U4.N11 U4.N13 U4.P12 U4.R13 U202.5
VDD_DDR: C208.2 C221.2 C324.2 C325.2 C326.2 C327.2 C328.2 C329.2 C330.2 C331.2 C402.2 C403.2 C404.2 C405.2 C406.2 C407.2 C422.2 C423.2 C424.2 C425.2 C426.2 C427.2 C428.2 C429.2 C430.2 C431.2 C1003.1 C1005.1 L203.2 TP209.1 U4.E15 U4.F14 U4.G15 U4.H14 U4.J15 U4.K14 U4.L15 U4.M14 U4.N15 U4.P14 U4.R15 U202.9 U202.13 U402.A1 U402.A8 U402.B2 U402.C1 U402.C9 U402.D2 U402.D9 U402.E9 U402.F1 U402.G7 U402.H2 U402.H9 U402.K2 U402.K8 U402.N1 U402.N9 U402.R1 U402.R9
VDD_USB: C216.2 C341.1 TP205.1 U4.W12 U4.W15 U202.39
VDDA: C217.2 TP206.1 U202.20
VIN: C7.1 C8.2 C9.2 C201.2 C204.2 C205.2 C206.2 C207.2 C210.2 C211.2 C1101.1 C1102.2 C1103.2 D1.1 D4.1 D1101.1 J1.A4_B9 J1.B4_A9 J3.2 J1101.A4_B9 J1101.B4_A9 R4.2 R5.2 R7.2 TP201.1 TP1101.1 U201.2 U202.8 U202.12 U202.19 U202.24 U202.28 U202.36
/DDR/DDR_A0: R406.1 U4.H18 U402.N3
/DDR/DDR_A1: R407.1 U4.M17 U402.P7
/DDR/DDR_A2: R408.1 U4.G18 U402.P3
/DDR/DDR_A3: R409.1 U4.F19 U402.N2
/DDR/DDR_A4: R410.1 U4.P17 U402.P8
/DDR/DDR_A5: R411.1 U4.H17 U402.P2
/DDR/DDR_A6: R412.1 U4.N16 U402.R8
/DDR/DDR_A7: R413.1 U4.E17 U402.R2
/DDR/DDR_A8: R414.1 U4.R17 U402.T8
/DDR/DDR_A9: R415.1 U4.G17 U402.R3
/DDR/DDR_A10: R416.1 U4.M19 U402.L7
/DDR/DDR_A11: R417.1 U4.M18 U402.R7
/DDR/DDR_A12: R418.1 U4.L17 U402.N7
/DDR/DDR_A13: R419.1 U4.F17 U402.T3
/DDR/DDR_A14: R420.1 U4.N18 U402.T7
/DDR/DDR_BA0: R421.1 U4.G19 U402.M2
/DDR/DDR_BA1: R422.1 U4.N17 U402.N8
/DDR/DDR_BA2: R423.1 U4.J16 U402.M3
/DDR/DDR_CASN: R427.1 U4.K17 U402.K3
/DDR/DDR_CKE: R404.2 R426.1 U4.P19 U402.K9
/DDR/DDR_CLK_N: R403.2 U4.K19 U402.K7
/DDR/DDR_CLK_P: R403.1 U4.L19 U402.J7
/DDR/DDR_CSN: R425.1 U4.J18 U402.L2
/DDR/DDR_DQ0: U4.A17 U402.C2
/DDR/DDR_DQ1: U4.A18 U402.C3
/DDR/DDR_DQ2: U4.D18 U402.A7
/DDR/DDR_DQ3: U4.B17 U402.A2
/DDR/DDR_DQ4: U4.E18 U402.B8
/DDR/DDR_DQ5: U4.D17 U402.C8
/DDR/DDR_DQ6: U4.D19 U402.D7
/DDR/DDR_DQ7: U4.B18 U402.A3
/DDR/DDR_DQ8: U4.P18 U402.F2
/DDR/DDR_DQ9: U4.T17 U402.H3
/DDR/DDR_DQ10: U4.R18 U402.G2
/DDR/DDR_DQ11: U4.V19 U402.H7
/DDR/DDR_DQ12: U4.W18 U402.F7
/DDR/DDR_DQ13: U4.T18 U402.E3
/DDR/DDR_DQ14: U4.V18 U402.H8
/DDR/DDR_DQ15: U4.W17 U402.F8
/DDR/DDR_DQM0: U4.C18 U402.D3
/DDR/DDR_DQM1: U4.U18 U402.E7
/DDR/DDR_DQS0_N: U4.B19 U402.B7
/DDR/DDR_DQS0_P: U4.C19 U402.C7
/DDR/DDR_DQS1_N: U4.T19 U402.G3
/DDR/DDR_DQS1_P: U4.U19 U402.F3
/DDR/DDR_ODT: R424.1 U4.H19 U402.K1
/DDR/DDR_RASN: R428.1 U4.L18 U402.J3
/DDR/DDR_RESETN: R405.2 U4.G16 U402.T2
/DDR/DDR_WEN: R429.1 U4.J17 U402.L3
/LCD/D2_N: J1001.11
/LCD/D2_P: J1001.12
/LCD/D3_N: J1001.8
/LCD/D3_P: J1001.9
/LCD/LED_A: C1002.2 D1001.1 J1001.30 U1001.7
/LCD/LED_K: J1001.28 J1001.29 U1001.1
/LCD/RESET: J1001.25 Q3.3 R1008.1 TP1003.1
/LCD/TP_INT: J1001.6 Q2.1 R1006.2 TP1002.1
/LCD/TP_RES: J1001.3 Q1.3 R1003.1 TP1001.1
/RCC_BOOT_RST_DEBUG/OSC_IN: C705.2 U4.M1 Y701.3
/RCC_BOOT_RST_DEBUG/OSC_OUT: R709.1 R710.1 U4.M2
/RCC_BOOT_RST_DEBUG/T_JCLK/T_SWCLK: J701.06 U4.D16 U702.2 U702.9
/RCC_BOOT_RST_DEBUG/T_JTDI/NC: J701.10 U4.D13 U702.5 U702.6
/RCC_BOOT_RST_DEBUG/T_JTDO/T_SWO: J701.08 U4.D14 U702.4 U702.7
/RCC_BOOT_RST_DEBUG/T_JTMS/T_SWDIO: J701.04 U4.D15 U702.1 U702.10
/WIFI/SLP_CLK: R2.2 R3.2 U901.B1
BT_DEV_WAKE: U4.D2 U901.J9
BT_RESET: U4.C5 U901.J7
BT_WAKE_HOST: U4.C1 U901.E7
DSI_CK_N: J1001.14 U4.A14
DSI_CK_P: J1001.15 U4.B14
DSI_D0_N: J1001.20 U4.A13
DSI_D0_P: J1001.21 U4.B13
DSI_D1_N: J1001.17 U4.A15
DSI_D1_P: J1001.18 U4.B15
ETH1_CRS_DV: U4.T6
ETH1_MDC: U4.V2
ETH1_MDIO: U4.W2
ETH1_REF_CLK: U4.U4
ETH1_RXD0: U4.W4
ETH1_RXD1: U4.V4
ETH1_TX_EN: U4.V1
ETH1_TXD0: U4.U2
ETH1_TXD1: U4.T9
FDCAN2_RX: J3.10 U3.1 U3.10 U4.V5
FDCAN2_TX: J3.12 U3.2 U3.9 U4.T12
I2C1_SCL: J1001.4 R1009.1 TP1006.1 U4.W6
I2C1_SDA: J1001.5 R1010.1 TP1004.1 U4.B5
I2S2_CK: U4.C8
I2S2_SDI: U4.C9
I2S2_SDO: U4.A8
I2S2_WS: U4.D9
I2S3_CK: U4.A7 U901.D8
I2S3_SDI: U4.B9 U901.E9
I2S3_SDO: U4.B8 U901.F9
I2S3_WS: U4.C7 U901.F8
INTLDO: C219.2 Q201.2 R202.1 U202.40
LCD_BL_PWM: R1001.2 U4.V9
LCD_RST: Q3.1 R1007.2 U4.V8
LCD_TP_INTR: Q2.3 R1005.1 U4.W10
LCD_TP_RST: Q1.1 R1002.2 U4.V10
LCM_ID: J1001.1
MOD_ADC3/TIM3_CH1: U4.T5
MOD_ADC5/TIM3_CH4: U4.V3
MOD_ADC9/TIM3_CH3: D2.1 J3.4 U4.W3
NRST: C701.2 J701.12 R203.2 R701.1 S1.1 U4.J1 U703.1 U703.10
PMIC_PA0_WKUP_INTR: U4.R3 U202.43
PMIC_WAKEUP: Q201.1 R202.2 U4.K3
PWM: J1001.23
PWR_ON: R708.1 TP702.1 U4.L1 U202.44
SDMMC1_CK: J501.P5 R505.1 U4.C10 U502.5 U502.6
SDMMC1_CMD: J501.P3 R8.1 U4.B10 U502.4 U502.7
SDMMC1_D0: J501.P7 R506.1 U4.C11 U501.1 U501.10
SDMMC1_D1: J501.P8 R507.1 U4.A10 U501.2 U501.9
SDMMC1_D2: J501.P1 R502.1 U4.D11 U502.1 U502.10
SDMMC1_D3: J501.P2 R503.1 U4.A11 U502.2 U502.9
SDMMC3_CK: R911.1 U4.A2
SDMMC3_CMD: R901.1 R912.1 U4.A3
SDMMC3_D0: R906.1 R907.1 U4.A4
SDMMC3_D1: R905.1 R908.1 U4.D6
SDMMC3_D2: R904.1 R909.1 U4.D7
SDMMC3_D3: R903.1 R910.1 U4.B4
SPI5_MISO: J3.11 U4.U10 U5.1 U5.10
SPI5_MOSI: J3.7 U4.W9 U5.4 U5.7
SPI5_SCK: J3.5 U4.W8 U5.5 U5.6
SYS_I2C4_SCL: R605.1 TP603.1 U4.U11 U202.4
SYS_I2C4_SDA: R606.1 TP604.1 U4.U12 U202.3
SYS_I2C6_SCL: J3.6 U3.5 U3.6 U4.V17
SYS_I2C6_SDA: J3.8 U3.4 U3.7 U4.U16
TE: J1001.24
UART4_RX_STM: J701.14 U4.T13 U703.2 U703.9
UART4_TX_STM: J701.13 U4.V6 U703.4 U703.7
UART7_RX_STM: J3.9 U4.T10 U5.2 U5.9
UART7_TX_STM: D5.1 J3.3 U4.T11
UART8_CTS_STM: U4.E1 U901.H8
UART8_RTS_STM: U4.D3 U901.H9
UART8_RX_STM: U4.C4 U901.G9
UART8_TX_STM: U4.B1 U901.G8
USB_CC1: J1101.A5 R603.2 R1102.2 U1101.1 U1101.10
USB_CC2: J1101.B5 R604.2 R1101.2 U1101.5 U1101.6
USB_D+: J1101.A6 J1101.B6 U4.W13 U1101.4 U1101.7
USB_D-: J1101.A7 J1101.B7 U4.V13 U1101.2 U1101.9
USB_M_CC1: J1.A5 R5.1
USB_M_CC2: J1.B5 R4.1
USB_M_D+: J1.A6 J1.B6 U2.2 U2.9 U4.V14
USB_M_D-: J1.A7 J1.B7 U2.4 U2.7 U4.W14
uSD_DETECT: J501.SW R501.1 U4.A5 U501.4 U501.7
VREF_DDR: C212.2 C401.2 C408.1 C409.1 TP202.1 U4.W16 U202.16 U402.H1 U402.M8
VTT_DDR: C215.1 C410.1 C411.1 C412.1 C413.1 C414.1 C415.1 C416.1 C417.1 C418.1 C419.1 C420.1 C421.1 R406.2 R407.2 R408.2 R409.2 R410.2 R411.2 R412.2 R413.2 R414.2 R415.2 R416.2 R417.2 R418.2 R419.2 R420.2 R421.2 R422.2 R423.2 R424.2 R425.2 R426.2 R427.2 R428.2 R429.2 TP204.1 U202.14
WIFI_PDn: R1.1 U4.A6
WLAN_DEV_WAKE: U4.C6 U901.J8
WLAN_RESET: U4.B3 U901.H7
WLAN_WAKE_HOST: U4.C2 U901.F7
Net-(D7-A): D7.2 R7.1
Net-(D601-A): D601.2 R601.1
Net-(D601-K): D601.1 TP601.1 U4.R1
Net-(D602-A): D602.2 R602.1
Net-(D602-K): D602.1 TP602.1 U4.P2
Net-(D1001-A): D1001.2 L1001.2 U1001.8
Net-(J501-VDD): C501.2 D501.1 J501.P4 NT501.1
Net-(J701-Pad11): J701.11 R712.2
Net-(Q201-D): Q201.3 U202.2
Net-(U1-CLK_OUT): R3.1 U1.3
Net-(U4A-VBAT): C338.1 U4.H3
